# KiCad board OTTOdiy_SMD.kicad_pcb (continued)
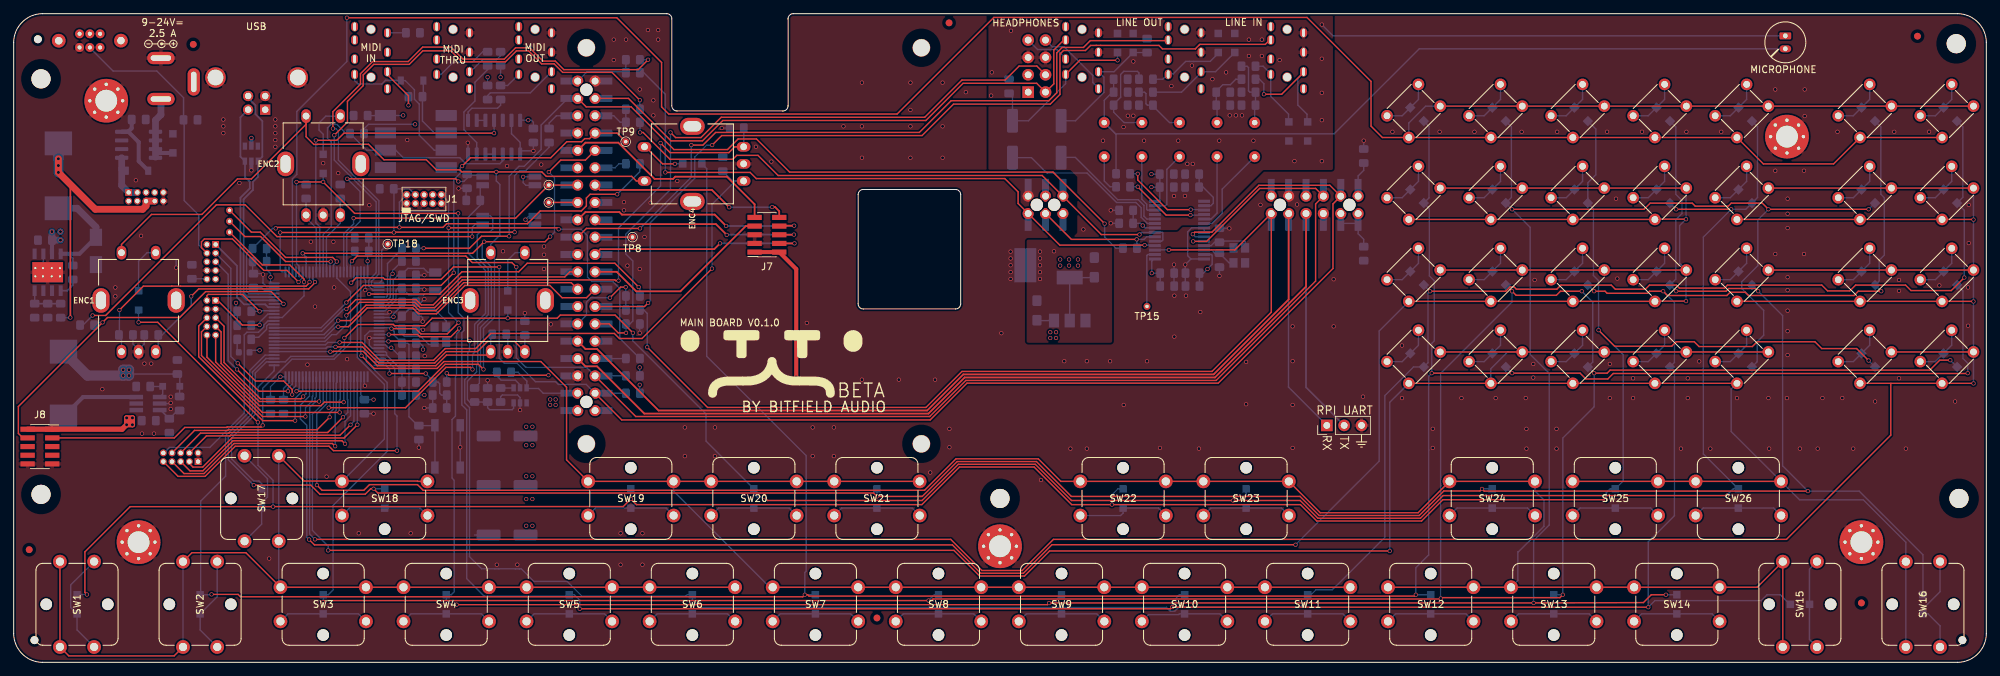
[diagram p0: board, top side]
## Routing (per net, layer and track width the routed paths; a pad name or vN(x,y) marks a point on that pad's centre or on a via; arc(x,y) is an arc through that point) (continued)
GNDA: length 70.9
  Bottom w0.203: v1(160.47,66.2) C250.1 ; v1(160.47,64.3) C73.2 ; MK201.1 192.99,91.75 v1(191.34,93.4)
  vias: v1(142.97,83) v1(143.07,86.4) v1(145.87,92.5) v1(150.12,60.15) v1(150.12,59.15) v1(150.12,58.15) v1(150.12,57.15) v1(150.12,56.15) v1(152.17,60.2) v1(156.47,63.4) v1(159.34,76.4) v1(162.34,78.4) v1(162.97,80.05) v1(163.77,88) v1(163.77,80.05) v1(165.34,76.4) v1(169.34,84.4) v1(169.72,68.3) v1(170.34,76.4) v1(171.32,68.3) v1(171.67,73) v1(172.34,87.4) v1(172.47,73) v1(175.34,85.4) v1(176.34,76.4) v1(177.34,86.4) v1(177.87,80.1) v1(178.77,80.1) v1(179.67,80.1) v1(180.67,91.2) v1(180.67,88.8) v1(181.34,76.4) v1(182.57,91.2) v1(182.57,88.8) v1(185.17,88.2) v1(187.34,73.4) v1(191.34,88.4) v1(191.34,83.4) v1(191.34,79.4) v1(191.34,73.4)
(F427)_SAI1_FS_A: length 85
  Top w0.203: v1(46.9,77.2) 48.82,79.12 48.82,82.15 51.13,84.46 51.13,86.04 52.67,87.58 57.87,87.58 59.84,89.55 63.95,89.55 65.55,87.95 71.93,87.95 73.54,89.55 75.32,89.55 77.22,87.65 79.05,87.65 80.3,86.4 87.52,86.4 v1(91.59,82.32)
  Bottom w0.203: v1(91.59,82.32) R236.2 ; v1(46.9,77.2) 46.9,73.56 50.37,70.09 50.37,70.09 53.02,67.44 53.02,57.05 51.94,55.97 51.94,55.1 52.54,54.5 U202.3
(F427)_SAI1_MCLK_A: length 6.3
  Bottom w0.203: TP18.1 53.82,60.35 53.82,55.88 U202.1
(F427)_SAI1_SCK_A: length 45.6
  Top w0.203: v1(91.42,54.96) 87.93,58.45 75.12,58.45 73.87,57.2 65.57,57.2 62.31,53.94 v1(51.97,53.94)
  Bottom w0.203: R235.2 91.59,54.79 v1(91.42,54.96) ; U202.4 52.03,54 v1(51.97,53.94)
(F427)_SAI1_SD_A: length 9.2
  Bottom w0.203: U202.5 54.52,53.5 54.67,53.65 54.67,56.99 54.68,57 54.68,58.41 56.79,60.52 R237.2
(F427)_SAI1_SD_B: length 85.5
  Top w0.203: v1(46.7,78.17) 46.7,80.64 50.73,84.67 50.73,86.21 52.5,87.98 57.7,87.98 59.82,90.1 63.97,90.1 65.72,88.35 71.76,88.35 73.42,90 75.47,90 77.42,88.05 79.22,88.05 80.47,86.8 91.34,86.8 v1(92.79,88.25)
  Bottom w0.203: U202.2 52.61,55 52.34,55.27 52.34,55.8 53.42,56.88 53.42,67.61 50.54,70.49 50.54,70.49 47.5,73.53 47.5,77.8 47.12,78.17 v1(46.7,78.17) ; v1(92.79,88.25) R238.2
/AUDIO/AMP_OUT_L: length 11.2
  Bottom w0.203: 158.67,84.1 157.84,84.93 157.84,85.95 153.64,90.15 151.91,90.15 J2.8
/AUDIO/AMP_OUT_R: length 6.6
  Bottom w0.203: 153.87,88.45 152.57,89.75 149.77,89.75 J2.7
/AUDIO/CODEC_CLKOUT: length 9.4
  Bottom w0.203: 167.67,59.72 165.89,59.72 165.77,59.6 165.77,59.57 165.74,59.54 165.74,52.15 TP15.1
/AUDIO/HP_OUT_L: length 26.3
  Top w0.203: v1(161.46,88.17) 155.94,88.17 TRS206.T
  Bottom w0.203: TRS206.T 153.87,84.75 148.43,79.31 C258.2 146.1,82.82 R228.2 ; v1(161.46,88.17) 161.46,89.31 ; 153.87,86.2 153.87,85.15
/AUDIO/HP_OUT_R: length 19.6
  Bottom w0.203: R230.2 165.77,89.31 163.75,89.31 160.94,86.5 TRS206.R1 159.47,85.7 159.47,83.47 155.31,79.31 C262.2
/AUDIO/I2S_BCLK*: length 141.3
  Top w0.203: v1(92.67,46.16) 101.5,37.33 133.44,37.33 138.71,42.6 175.27,42.6 183.95,51.28 J206.12 178.62,60.4 v1(168.97,60.4)
  Bottom w0.203: v1(168.97,60.4) 167.69,60.4 167.67,60.37 ; v1(92.67,46.16) 92.67,51.1 92.17,51.6 R231.2 ; J206.12 J206.12
/AUDIO/I2S_DIN*: length 21.2
  Top w0.203: v1(164.26,61.95) 154.71,61.95 J207.4
  Bottom w0.203: J207.4 J207.4 ; 167.67,62.32 165.72,62.32 165.34,61.95 v1(164.26,61.95) 164.29,61.91 R233.2
/AUDIO/I2S_DOUT*: length 95.7
  Top w0.203: v1(95.32,71.75) 107.72,71.75 108.62,70.85 144.97,70.85 146.92,68.9 146.92,67.2 J207.6 153.02,61.1 v1(165.42,61.1)
  Bottom w0.203: v1(95.32,71.75) 95.32,83.2 92.17,86.35 R234.2 ; J207.6 J207.6 ; v1(165.42,61.1) 167.59,61.1 167.67,61.02
/AUDIO/I2S_LRCLK*: length 88.5
  Top w0.203: v1(164.67,62.65) 159.09,62.65 J207.1 150.44,71.3 111.82,71.3 108.87,74.25 105.77,74.25 105.19,73.67 96,73.67 92.07,77.6 v1(91.62,77.6)
  Bottom w0.203: R232.2 91.62,79.07 v1(91.62,77.6) ; v1(164.67,62.65) 164.97,62.95 166.92,62.95 ; U207.5 167.91,61.67 168.1,61.86 168.1,62.88 168,62.97 U207.7 ; J207.1 J207.1
/AUDIO/LINE_IN_L: length 10.7
  Bottom w0.203: 186.47,79.28 186.47,80.28 183.87,82.88 183.87,86.2 182.77,87.3 R218.2
/AUDIO/LINE_IN_R: length 18.1
  Top w0.203: 188.67,86.35 188.62,86.35 185.47,83.2 v1(182.87,83.2)
  Bottom w0.203: 189.17,79.28 189.17,80.28 187.84,81.61 187.84,85.52 188.67,86.35 ; v1(182.87,83.2) 182.87,84.75 182.22,85.4 R222.2
/AUDIO/LINE_OUT_L: length 11.1
  Bottom w0.203: 176.19,89.18 175.01,88 172.63,88 172.63,88 172.05,88 172.05,88 171.42,88 169.62,86.2 168.87,86.2 168.07,85.4 R220.2
/AUDIO/LINE_OUT_R: length 14.3
  Bottom w0.203: 173.67,86.35 170.82,83.5 R223.2 ; 178.61,89.31 175.8,86.5 TRS205.R1
/AUDIO/MIC_IN: length 120.7
  Bottom w0.203: MK201.2 205.59,89.85 193.14,77.4 161.17,77.4 C257.2 ; C257.2 161.25,77.32 161.25,71.55 ; C257.2 159.52,82.3 160.72,83.5 C259.1 R229.2
/CE1_GPIO7_RASPI: length 5.7
  Top w0.203: TP2.1 J201.26
  Bottom w0.203: J201.26 J201.26
/GPIO1_RASPI: length 44.5
  Top w0.203: v1(49.72,65.05) 73.42,65.05 TP7.1 78.28,69.89 J201.28
  Bottom w0.203: J201.28 J201.28 ; v1(49.72,65.05) 49.72,64.21 48.27,62.76 48.27,57.35
/ICP_RST: length 101.4
  Top w0.203: v1(55.25,48.87) 58.79,48.87 59.57,48.1 63.42,48.1 v1(65.07,49.75) ; v1(79.72,63.43) 79.71,63.42 79.71,63.42 79.49,63.63 v1(63.62,63.63)
  Bottom w0.203: J1.10 63.62,67.42 v1(63.62,63.63) 63.62,51.2 v1(65.07,49.75) ; R4.2 57.62,46.75 57.82,46.55 57.82,35.97 59.12,34.67 C48.2 61.29,34.67 61.62,34.35 61.62,28.15 ; R4.2 55.67,47.88 55.67,48.46 v1(55.25,48.87) 55.13,49 U202.14 ; R4.2 56.79,46.89 ; 91.59,44.5 88.67,47.43 88.67,54.73 87.64,55.76 84.59,55.76 83.93,56.42 83.93,62.49 82.99,63.43 v1(79.72,63.43)
/ICP_SWCLK: length 66.1
  Top w0.203: v1(73.27,63) 55.67,63 v1(55.62,62.95) 55.62,62.95 v1(38.98,62.95)
  Bottom w0.203: v1(55.62,62.95) 55.62,68.95 56,69.33 57.9,69.33 J1.4 ; 78.32,76.12 78.32,75.44 74.88,72 74,72 73.27,71.27 v1(73.27,63) ; v1(38.98,62.95) 38.97,62.94 38.97,57.45 39.25,57.17 39.77,57.17
/ICP_SWDIO: length 79.2
  Top w0.203: v1(38.32,63.55) 38.47,63.7 v1(56.42,63.7) 62.79,63.7 63.33,64.24 75.15,64.24 77.01,66.1 83.02,66.1 83.77,66.85 83.77,68 84.32,68.55 v1(88.28,68.55)
  Bottom w0.203: v1(88.28,68.55) 91.59,71.87 R1.2 ; v1(38.32,63.55) 37.87,63.55 34.95,60.62 34.82,60.62 34.07,59.87 34.07,54.32 34.39,54 35.75,54 35.75,54 38.09,54 ; v1(56.42,63.7) 56.42,67.41 57.49,68.47 J1.2
/MCU/BARREL_IN: length 7.5
  Bottom w0.6: D49.1 16.05,72 15.8,72.25
  Bottom w1: 15.8,73.89 15.8,69.84 J3.1 J3.3
/MCU/BOOT0: length 36.1
  Top w0.203: v1(48.79,70.82) 64.65,70.82 v1(65.04,70.43)
  Bottom w0.203: v1(48.79,70.82) 50.67,68.93 50.67,64.59 48.72,62.64 48.72,58.06 48.77,58.01 48.77,57.17 ; v1(65.04,70.43) 65.85,70.43 66.32,70.9 R203.2 66.44,71.35 68.38,71.35 SW202.4
/MCU/BOOT1: length 57.9
  Top w0.203: v1(46.08,37.29) 57.31,37.29 63.22,43.2 66.81,43.2 v1(67.11,42.9)
  Bottom w0.203: v1(67.11,42.9) 67.11,45.09 67.42,45.4 67.42,49.5 69.02,51.1 69.02,57.4 66.47,59.95 66.47,65.17 68.25,66.95 R204.2 68.25,69.51 SW202.3 ; v1(46.08,37.29) 46.27,37.49 U202.37
/MCU/BUCK_IN: length 21.9
  In1.Cu w1: v1(6.85,63.08) 11.32,67.55 J3.2 J3.4 ; v1(6.85,63.08) v1(6.85,61.83) v1(5.6,63.08) v1(6.85,63.08)
  Bottom w0.6: C1.2 5.6,59.84 U1.7
  Bottom w1: C1.2 5.6,61.83 ; C1.2 v1(6.85,61.83) ; C1.2 v1(5.6,63.08)
/MCU/BUCK_OUT: length 49.2
  Top w0.254: v1(6.54,71.75) 8.29,70 v1(8.29,50.5)
  Top w1: J3.8 J3.6 19.36,66.84 18.87,66.35 11.94,66.35 v1(6.54,71.75) v1(6.54,73.75)
  Bottom w0.254: v1(8.29,50.5) 8.27,50.48 R14.1
  Bottom w1: R14.1 6.9,50.51
  Bottom w1.5: v1(6.54,73.75) L1.2 v1(6.54,71.75)
  vias: v1(6.54,72.75)
/MCU/COL_1: length 205
  Top w0.203: SW18.2 59.11,26.5 59.05,26.55 42.47,26.55 SW17.2 ; SW2.2 26.08,16.06 33.96,16.06 SW3.2 SW6.2 SW6.2 ; 6.77,2.25 6.77,14.75 ; SW1.2 8.07,0.95 23.47,0.95 SW2.2
  Bottom w0.203: SW18.2 54.22,32.7 54.22,40.71 50.27,44.66 50.27,57.17 ; SW2.2 SW2.2 ; SW3.2 38.77,11.25 SW17.2 SW17.2
/MCU/COL_2: length 215.7
  Top w0.203: v1(50.88,44.9) 52.74,43.04 61.92,43.04 62.93,44.05 77.11,44.05 80.87,40.29 80.87,29.65 SW19.2 SW21.2 ; SW11.2 SW7.2
  Bottom w0.203: v1(50.88,44.9) 50.77,45.01 50.77,57.97 ; SW19.2 96.52,25.09 110.61,11 SW7.2
/MCU/COL_3: length 293.4
  Top w0.203: v1(44.35,25.95) 45.11,25.2 51.22,25.2 52.05,26.03 59.07,26.03 59.9,25.2 133.23,25.2 137.84,29.81 149.86,29.81 153.17,26.5 SW22.2 ; SW22.2 SW23.2 191.11,21.91 205.43,21.91 SW24.2 SW24.2 ; SW22.2 155.51,25.99 ; SW15.2 SW15.2 255.02,11 SW12.2
  Bottom w0.203: SW13.2 220.02,12 220.02,16.21 ; U202.38 45.77,37.84 44.35,36.42 v1(44.35,25.95) ; SW24.2 222.52,25.09 223.83,23.77 223.83,19.91 220.02,16.1
/MCU/COL_4: length 400.4
  Top w0.203: SW27.2 SW28.2 SW29.2 SW30.2 SW31.2 ; SW27.2 SW28.2 SW29.2 SW30.2 SW31.2 ; v1(46.01,16.4) 137.53,16.4 141.29,12.64 147.85,12.64 151.52,16.31 v1(201.28,16.31) ; SW26.2 SW25.2
  Bottom w0.203: SW28.2 218.53,45.46 216.06,42.99 SW28.2 ; SW31.2 251.21,40.01 251.21,33.81 SW26.2 261.22,23.8 270.55,23.8 276.77,17.58 SW16.2 ; v1(46.01,16.4) 46.01,17.01 43.7,19.32 43.7,36.34 45.27,37.91 45.27,41.82 U202.39 ; 276.77,14.71 276.77,2.21 ; v1(201.28,16.31) 201.28,38.08 SW27.2
/MCU/COL_5: length 459.2
  Top w0.203: v1(286.66,64.84) 286.64,64.86 SW47.2 SW46.2 SW45.2 ; v1(286.67,40.85) 286.66,40.86 SW33.2 SW32.2 ; v1(286.66,52.85) 286.65,52.86 SW40.2 SW39.2 SW38.2 ; SW33.2 SW32.2 ; SW40.2 SW39.2 SW38.2 ; SW47.2 SW46.2 SW45.2 ; 274.56,40.86 274.56,33.27 259.31,18.01 152.08,18.01 147.52,13.45 141.62,13.45 137.06,18.01 v1(44.07,18.01)
  Bottom w0.203: v1(286.67,40.85) 286.66,40.86 SW33.2 v1(286.66,52.85) SW40.2 v1(286.66,64.84) SW47.2 ; v1(44.07,18.01) 43.29,18.79 43.29,37.34 44.07,38.12 44.07,38.72 44.27,38.92 U202.41
/MCU/COL_6: length 386
  Top w0.203: v1(244.62,52.9) 240.1,52.9 SW37.2 SW36.2 SW35.2 SW34.2 ; v1(244.62,64.9) 240.1,64.9 SW44.2 SW43.2 SW42.2 SW41.2 ; SW37.2 SW36.2 SW35.2 SW34.2 ; SW44.2 SW43.2 SW42.2 SW41.2 ; v1(187.5,17.22) 151.87,17.22 147.69,13.05 141.45,13.05 137.3,17.2 44,17.2 v1(43.21,17.98)
  Bottom w0.203: v1(244.62,52.9) 244.62,57.42 SW37.2 243.67,58.45 243.67,63.95 v1(244.62,64.9) 244.62,69.42 SW44.2 ; v1(187.5,17.22) 199.73,29.46 199.73,48.53 SW34.2 ; U202.43 43.27,39 41.94,37.67 41.94,35.64 41.94,35.64 42.89,34.69 42.89,18.31 v1(43.21,17.98)
/MCU/COL_7: length 154.1
  Top w0.203: v1(41.37,39.7) 59.15,39.7 63.1,43.65 67.97,43.65 v1(68.72,42.9) ; ENC1.S1 15.77,61.2 20.17,65.6 27.53,65.6 32.73,70.8 34.77,70.8 42.77,78.8 ENC2.S1 42.77,76.98 43.91,75.85 44.48,75.85 44.5,75.87 51.9,75.87 54.17,73.6 60.36,73.6 61.84,72.12 65.25,72.12 65.55,71.82 v1(70.59,71.82) 77.25,71.82 77.9,71.17 90.39,71.17 91.07,70.5 ENC4.S1
  Bottom w0.203: v1(41.37,39.7) 41.77,40.1 U202.46 ; v1(70.59,71.82) 70.59,70.5 71.12,69.97 71.12,62.55 69.77,61.2 ENC3.S1 70.32,59.45 70.32,50.5 68.72,48.9 v1(68.72,42.9)
/MCU/COL_8: length 389.4
  Top w0.203: SW56.2 SW55.2 266.2,73 255.92,73 SW54.2 SW53.2 SW52.2 SW51.2 SW50.2 200.21,76.86 198.54,78.53 198.54,85.08 189.17,94.45 143.37,94.45 129.22,80.3 95.82,80.3 94.77,81.35 94.77,87.85 88.22,94.4 v1(48.74,94.4) ; SW56.2 SW55.2 SW54.2 SW53.2 SW52.2 SW51.2 SW50.2
  Bottom w0.203: SW50.2 206.53,81.46 204.06,78.99 SW50.2 ; 40.77,57.17 40.77,70.8 41.42,71.45 41.42,80.68 48.74,88 v1(48.74,94.4)
/MCU/CV_ADC_1: length 36.8
  Top w0.203: v1(48.47,32) 48.02,32.45 32.07,32.45 27.67,28.05 25.78,28.05 J6.5
  Bottom w0.203: v1(48.47,32) 48.47,35.31 49.27,36.11 49.27,41.82 U202.31
/MCU/CV_ADC_2: length 32.2
  Top w0.203: v1(48.17,35.9) 45.93,33.66 31.57,33.66 31.47,33.56 27.32,33.56 J6.6
  Bottom w0.203: U202.32 48.77,38.59 48.87,38.49 48.87,36.6 v1(48.17,35.9)
/MCU/CV_DAC_1: length 34.7
  Top w0.203: J6.3 25.7,29.13 26.23,28.6 27.65,28.6 31.91,32.86 48.33,32.86 v1(50.27,34.8)
  Bottom w0.203: U202.29 v1(50.27,34.8)
/MCU/CV_DAC_2: length 32.5
  Top w0.203: v1(49.27,34.8) 47.73,33.26 31.74,33.26 31.64,33.16 28.19,33.16 J6.4
  Bottom w0.203: v1(49.27,34.8) 49.77,35.3 U202.30
/MCU/ENC_A_1: length 37.3
  Top w0.203: v1(43.27,55.7) 43.27,55.6 42.76,55.09 24.42,55.09 24.41,55.1 23.13,55.1 23.12,55.09 18.96,55.09 v1(15.47,51.6)
  Bottom w0.203: v1(15.47,51.6) 15.47,48.02 C60.1 15.77,47.57 ENC1.A ; 43.27,57.17 43.27,55.7 v1(43.27,55.7)
/MCU/ENC_A_2: length 11.4
  Bottom w0.203: 44.27,57.17 44.27,62.01 44.27,62.01 44.27,62.59 44.27,62.59 44.27,63.6 42.77,65.1 ENC2.A C62.1
/MCU/ENC_A_3: length 36.1
  Top w0.203: ENC3.A 69.27,45 63.31,45 61.75,43.44 53.22,43.44 51.11,45.55 46.8,45.55 46.74,45.5 v1(46.32,45.5)
  Bottom w0.203: 38.09,45.5 v1(46.32,45.5) ; C64.1 69.77,47.82 ENC3.A
/MCU/ENC_A_4: length 90.6
  Top w0.203: v1(47.67,46.85) 50.95,46.85 53.55,44.25 61.42,44.25 63.12,45.95 67.57,45.95 69.79,48.17 87.86,48.17 88.61,47.43 91.91,47.43 v1(102.14,57.66)
  Bottom w0.203: v1(102.14,57.66) 102.14,67.08 105.57,70.5 ENC4.A ; ENC4.A 105.15,70.5 C66.1 ; ENC4.A 106.79,70.47 ; v1(47.67,46.85) 45.96,46.85 45.61,46.5 38.09,46.5
  Bottom w0.254: 106.75,70.48 ENC4.A
/MCU/ENC_B_1: length 31.2
  Top w0.203: v1(44.07,55.7) 44.07,55.6 43.16,54.69 27.06,54.69 v1(25.97,53.6)
  Bottom w0.203: v1(44.07,55.7) 44.07,55.79 43.77,56.09 43.77,57.17 ; ENC1.B 21.15,45.87 21.15,47.95 21.72,47.95 25.97,52.2 v1(25.97,53.6)
/MCU/ENC_B_2: length 11.6
  Bottom w0.203: 45.77,57.17 45.74,57.2 45.74,62.27 47.77,64.3 ENC2.B C63.2
/MCU/ENC_B_3: length 42.1
  Top w0.203: v1(47.07,46.2) 51.03,46.2 53.39,43.85 61.59,43.85 63.24,45.5 67.82,45.5 69.32,47 73.27,47 ENC3.B
  Bottom w0.203: C65.2 ENC3.B ; v1(47.07,46.2) 45.88,46.2 45.68,46 38.09,46
/MCU/ENC_B_4: length 94.1
  Top w0.203: v1(94.62,76.05) 96.02,74.65 104.61,74.65 105.46,75.5 ENC4.B ; v1(88.47,55.9) 88.05,55.9 87.94,56.01 65.63,56.01 61.57,51.95 59.46,51.95 58.69,52.72 50.59,52.72 v1(48.67,50.8)
  Bottom w0.203: 38.09,47 45.54,47 46.54,48 47.2,48 48.67,49.47 v1(48.67,50.8) ; 106.79,78.25 106.79,75.52 ENC4.B ; v1(88.47,55.9) 88.47,63.62 94.62,69.77 v1(94.62,76.05)
/MCU/EXP_GPIO_1_ADC: length 29.2
  Top w0.203: J5.9 29.54,44 35.94,37.6 44.96,37.6 45.46,38.1 v1(48.27,38.1)
  Bottom w0.203: U202.33 48.27,38.1 v1(48.27,38.1)
/MCU/EXP_GPIO_2_ADC: length 31.7
  Top w0.203: v1(47.68,36.6) 36.37,36.6 28.27,44.7 J5.10
  Bottom w0.203: v1(47.68,36.6) 47.62,36.66 47.62,38.34 47.77,38.49 U202.34 47.77,41.4
/MCU/EXP_GPIO_3_PWM: length 26.1
  Top w0.203: v1(44.67,38.2) 35.91,38.2 30.34,43.77 30.34,48.39 J5.7
  Bottom w0.203: v1(44.67,38.2) 44.77,38.3 U202.40
/MCU/EXP_GPIO_4_PWM: length 29.8
  Top w0.203: v1(42.67,36) 36.4,36 27.47,44.93 27.47,48.39 J5.8
  Bottom w0.203: U202.42 43.77,38.99 43.67,38.88 43.67,38.28 42.67,37.29 v1(42.67,36)
/MCU/EXP_GPIO_5_PWM: length 24
  Top w0.203: v1(42.34,38.93) 42.02,38.6 36.08,38.6 30.77,43.91 30.77,49.23 J5.5
  Bottom w0.203: U202.44 42.77,39.35 v1(42.34,38.93)
/MCU/EXP_GPIO_6_PWM: length 31.1
  Top w0.203: v1(41.17,35.4) 36.43,35.4 27.07,44.76 27.07,49.26 J5.6
  Bottom w0.203: v1(41.17,35.4) 41.17,38.64 42.27,39.74 U202.45
/MCU/GATE_IO_1: length 36.9
  Top w0.203: v1(47.02,31.65) 46.62,32.05 32.24,32.05 27.83,27.64 24.92,27.64 J6.7
  Bottom w0.203: U202.35 47.27,40.99 47.17,40.9 47.17,36.93 47.02,36.78 v1(47.02,31.65)
/MCU/GATE_IO_2: length 31.4
  Top w0.203: J6.8 26.46,33.97 31.31,33.97 31.41,34.07 44.39,34.07 v1(46.22,35.9)
  Bottom w0.203: v1(46.22,35.9) 46.22,36.55 46.77,37.1 U202.36
/MCU/I2C2_SCL: length 12.9
  Top w0.203: v1(35.97,51.4) 33.49,53.88 28.45,53.88 28.27,53.71 J5.2
  Bottom w0.203: 38.09,51.5 36.07,51.5 v1(35.97,51.4) R206.1
/MCU/I2C2_SDA: length 12.2
  Top w0.203: J5.1 29.84,53 33.44,49.4 v1(35.97,49.4)
  Bottom w0.203: 38.09,51 37.17,51 35.97,49.8 v1(35.97,49.4) 34.8,49.4 R207.2
/MCU/LED_PWR_EN: length 54.8
  Top w0.203: J8.4 1.34,32.87 0.69,33.52 0.69,37.47 v1(13,49.78) 13.72,50.5 24.28,50.5 28.07,54.29 37.68,54.29 v1(39.47,52.5)
  Bottom w0.203: v1(13,49.78) 12.15,49.78 R32.2 ; 38.09,52.5 v1(39.47,52.5)
/MCU/MCU_PA0: length 52.2
  Top w0.203: v1(56.07,31) 46.78,31 46.13,31.65 32.41,31.65 28,27.24 24.05,27.24 J6.9
  Bottom w0.203: v1(56.07,31) 56.07,36.08 55.74,36.41 55.74,43.04 54.28,44.5 U202.23
/MCU/MCU_PC7: length 31.2
  Bottom w0.203: 38.09,50 37.19,50 36.59,49.4 36.59,49.13 35.81,48.35 34.12,48.35 33.72,47.95 33.72,36.5 28.69,31.47 22.78,31.47 22.36,31.05 22.36,30.79 22.24,30.67 J6.10
/MCU/MCU_PC8: length 21.9
  Top w0.203: TP1.1 36.37,58.2 40.39,58.2 42.47,56.12 v1(42.47,55.7)
  Bottom w0.203: v1(42.47,55.7) 42.47,53.68 39.29,50.5 38.09,50.5
/MCU/OSC32_IN: length 12.5
  Bottom w0.203: Y202.2 60.57,57.1 59.97,57.7 57.67,57.7 56.79,56.82 C96.1 56.22,56.7 55.52,56 55.52,53.24 54.28,52 U202.8
/MCU/OSC32_OUT: length 11.1
  Bottom w0.203: U202.9 54.35,51.5 55.92,53.07 55.92,54.5 56.22,54.8 C97.1 57.8,53.8 59.97,53.8 60.16,54 61.27,54 Y202.1
/MCU/OSC_IN: length 12.2
  Bottom w0.203: U202.12 56.12,50 56.79,50.67 C204.1 57.8,51.7 61.57,51.7 63.27,50 Y201.3
/MCU/OSC_OUT: length 9.4
  Bottom w0.203: 61.22,46.55 60.72,46.55 59.52,47.75 57.14,47.75 56.79,48.1 C205.1 56.22,48.8 55.52,49.5 54.25,49.5 54.24,49.5 U202.13
/MCU/PERIPHERALS/BARL: length 11.6
  Bottom w0.6: D48.1 21.31,74.6 Q1.7
  Bottom w1: 20.74,74 Q1.7 20.74,79.4 21.54,80.19 DC201.1
/MCU/PERIPHERALS/LED_PWR_EN_OVERRIDE: length 69.6
  Top w0.203: v1(67.07,62.35) 67.07,62.35 38.52,62.35 33.87,67 29.65,67 13.45,50.8 v1(11.54,50.8)
  Bottom w0.203: v1(11.54,50.8) 10.14,49.4 9.71,49.4 ; v1(67.07,62.35) 67.07,63.72 67.47,64.11 SW48.3
/MCU/PERIPHERALS/PI_PWR_EN_OVERRIDE: length 40.6
  Bottom w0.203: U5.3 73.12,37.22 72.9,37 69.62,37 69.32,37.3 R16.1 R31.1 66.72,38.12 66.37,38.47 66.37,41.18 67.72,42.52 67.72,43.51 67.87,43.66 67.87,49.38 69.42,50.93 69.42,57.64 67.82,59.24 67.82,62.64 68.18,63 69.62,63 70.07,63.45 70.07,65.04 69.72,65.38 SW48.4
/MCU/PROG_UART_RX: length 28.2
  Top w0.203: v1(40.11,39.7) 35.87,39.7 v1(32.67,42.9)
  Bottom w0.203: J4.5 31.37,56.83 31.37,44.2 v1(32.67,42.9) ; v1(40.11,39.7) 40.11,40.13 40.77,40.79 U202.48
/MCU/PROG_UART_TX: length 30.6
  Top w0.203: v1(32.77,43.8) 35.37,41.2 39.49,41.2 40.74,39.95 v1(40.74,39.21)
  Bottom w0.203: v1(32.77,43.8) 31.77,44.8 31.77,57.7 J4.3 ; U202.47 41.27,40.49 40.74,39.96 v1(40.74,39.21)
/MCU/ROW_1: length 397.4
  Top w0.203: v1(271.32,44.2) 269.57,45.95 264.47,45.95 263.47,46.95 255.02,46.95 254.32,46.25 246.52,46.25 245.82,46.95 243.17,46.95 242.52,46.3 234.17,46.3 v1(231.82,48.65) ; v1(232.92,23.82) 209.05,23.82 205.93,20.7 190.61,20.7 188.21,23.1 v1(160.64,23.1) 154.76,23.1 149.26,28.6 138.34,28.6 132.84,23.1 91.1,23.1 v1(90.27,23.92) 89.15,22.81 37.95,22.81 v1(37.94,22.8) 17.04,22.8 10.41,16.17 10.41,10.23 v1(10.71,9.93) ; v1(18.27,49.8) 21.07,49.8 v1(35.72,35.15)
  Bottom w0.203: D32.1 v1(271.32,44.2) ; D60.1 231.42,78.1 231.42,71.4 230.26,70.24 D43.1 231.07,66.45 231.07,56.65 231.82,55.9 v1(231.82,48.65) 235.42,45.05 235.42,26.55 D25.1 233.52,25.4 232.92,24.8 v1(232.92,23.82) ; v1(160.64,23.1) 160.64,24.53 161.52,25.4 D22.1 ; v1(37.94,22.8) 37.94,26.65 35.74,28.85 35.74,35.23 ; D19.1 v1(90.27,23.92) ; 38.09,43.5 38.09,42.7 35.74,40.34 35.74,35.23 ; v1(35.72,35.15) 35.74,35.17 35.74,35.23 ; v1(10.71,9.93) 9.3,9.93 D1.1 ; D202.1 v1(18.27,49.8)
/MCU/ROW_2: length 338.3
  Top w0.203: v1(243.17,66.35) v1(251.22,66.35) ; v1(48.37,47.51) 50.33,49.47 55.54,49.47 55.72,49.3 60.11,49.3 61.21,50.4 v1(72.27,50.4) 79.5,50.4 79.95,50.85 87.98,50.85 v1(90.57,48.26) ; v1(250.64,24.42) 209.09,24.42 205.76,21.1 190.78,21.1 188.18,23.7 v1(178.37,23.7) 154.73,23.7 149.43,29 138.17,29 132.87,23.7 110.26,23.7 v1(109.77,24.19)
  Bottom w0.203: D44.1 v1(243.17,66.35) ; D62.1 255.07,78.45 255.07,68.07 D45.1 253.35,66.35 v1(251.22,66.35) 247.15,62.28 247.15,30.52 D26.1 251.52,25.4 250.64,24.53 v1(250.64,24.42) ; v1(48.37,47.51) 48.37,46.48 46.7,44.8 40.54,44.8 39.73,44 36.97,44 35.34,42.37 35.34,36.32 31.87,32.85 31.87,29.8 35.12,26.55 35.87,26.55 36.27,26.15 D17.1 ; v1(109.77,24.19) 108.72,24.19 108.27,24.65 D20.1 101.27,32.4 101.27,36.38 90.57,47.08 v1(90.57,48.26) ; D23.1 180.27,24.65 179.32,23.7 v1(178.37,23.7) ; D203.1 v1(72.27,50.4)
/MCU/ROW_3: length 363.3
  Top w0.203: v1(243.17,54.35) 250.47,54.35 250.87,54.75 254.77,54.75 v1(255.17,54.35) ; v1(262.45,25.07) 215.09,25.07 v1(214.77,25.4) 214.47,25.1 209.19,25.1 205.6,21.51 190.94,21.51 188.15,24.3 154.7,24.3 149.59,29.41 138.01,29.41 132.9,24.3 132.57,24.3 ; 132.57,24.3 v1(126.27,24.3) 125.78,24.8 53.27,24.8 v1(52.65,25.42) 52.22,25.42 51.42,24.62 44.79,24.62 43.46,25.95 v1(35.12,25.95) ; 132.57,24.3 132.78,24.3
  Bottom w0.203: 254.23,55.26 D38.1 v1(255.17,54.35) 258.74,50.78 258.74,28.78 v1(262.45,25.07) 269.95,25.07 279.27,15.75 279.27,9.9 ; v1(243.17,54.35) D37.1 243.12,56.12 243.12,64.82 244.02,65.72 244.02,67.65 243.12,68.55 243.12,78.4 D61.1 242.26,78.95 ; v1(214.77,25.4) D24.1 ; v1(35.12,25.95) 31.4,29.68 31.4,32.95 34.93,36.49 34.93,42.53 36.9,44.5 38.09,44.5 ; D21.1 v1(126.27,24.3) ; v1(52.65,25.42) 52.67,25.4 D18.1
/MCU/ROW_4: length 457.5
  Top w0.203: v1(285.82,42.35) 285.77,42.3 233.97,42.3 233.17,41.5 229.97,41.5 229.12,42.35 v1(219.17,42.35) v1(207.42,42.35) ; v1(205.09,9.9) 204.89,9.7 116.35,9.7 116.14,9.9 v1(115.72,9.9) 115.42,9.6 33.18,9.6 32.83,9.95 v1(28.95,9.95)
  Bottom w0.203: v1(219.17,42.35) D28.1 218.23,43.26 ; v1(285.82,42.35) 285.82,43.8 285.12,44.5 285.12,54.4 D40.1 ; D58.1 207.02,78.5 207.02,68.02 D41.1 207.07,66.45 207.07,56.6 207.8,55.87 207.8,47.08 207.42,46.71 v1(207.42,42.35) 206.97,41.9 206.97,31.11 206.97,31.11 206.97,15.73 205.09,13.85 v1(205.09,9.9) D12.1 ; D7.1 v1(115.72,9.9) 115.72,13.15 115.91,13.35 115.91,30.28 101.37,44.82 101.37,72.3 D205.1 ; v1(28.95,9.95) 28.9,9.9 D2.1 ; 38.09,45 36.77,45 34.53,42.76 34.53,36.74 30.99,33.2 30.99,27.25 27.35,23.61 27.35,9.93
/MCU/ROW_5: length 395.3
  Top w0.203: v1(229.37,54.35) 226.25,54.35 225.64,53.75 219.77,53.75 v1(219.17,54.35) ; v1(231.17,42.35) 233.07,42.35 233.52,42.8 280.27,42.8 281.72,44.25 v1(283.27,44.25) ; v1(208.75,9.35) 208.72,9.33 208.72,9.28 ; 208.72,9.28 134.47,9.28 134.24,9.05 v1(133.82,9.05) 45.45,9.05 v1(45.24,8.84) ; 208.72,9.28 208.92,9.47 226.17,9.47 v1(226.59,9.9)
  Bottom w0.203: v1(229.37,54.35) 230.97,52.75 230.97,43.97 D29.1 v1(231.17,42.35) 231.17,37.43 226.59,32.85 v1(226.59,9.9) D13.1 ; v1(283.27,44.25) D33.1 ; D35.1 v1(219.17,54.35) 219.17,52.77 208.72,42.32 208.72,27.13 208.72,27.12 208.72,25.88 208.72,25.87 208.72,22.13 208.72,22.12 208.72,20.88 208.72,20.87 208.72,9.38 v1(208.75,9.35) 208.72,9.38 ; U202.15 52.07,48.5 51.37,47.8 51.37,45.44 51.57,45.24 51.57,44.04 54.62,40.99 54.62,30.88 46.72,22.98 46.72,10.6 46.02,9.9 D3.1 45.27,8.87 v1(45.24,8.84) ; D8.1 134.67,9.9 v1(133.82,9.05)
/MCU/ROW_6: length 393.3
  Top w0.203: v1(271.32,66.35) v1(256.67,66.35) 255.77,67.25 251.23,67.25 250.78,66.8 245.97,66.8 245.52,67.25 239.37,67.25 238.47,66.35 v1(219.17,66.35) ; v1(151.44,8.67) 151.22,8.45 v1(64.79,8.45) ; v1(151.44,8.67) 151.47,8.7 v1(222.32,8.7) 238.38,8.75 239.53,9.9 v1(241.67,9.9) ; v1(151.44,8.67) 151.87,8.67 ; v1(54.87,48) 59.09,48 59.4,47.69 63.96,47.69 v1(65.17,48.9)
  Bottom w0.203: v1(256.67,66.35) 255.12,64.8 255.12,58.1 252.77,55.75 252.77,54.75 255.97,51.55 255.97,47.9 255.02,46.95 255.02,44.02 D31.1 ; D46.1 272.23,67.26 v1(271.32,66.35) ; D59.1 219.07,78.45 219.07,68.07 D42.1 v1(219.17,66.35) 221.82,63.7 221.82,45.1 224.61,42.31 224.61,20.12 222.32,17.83 v1(222.32,8.7) ; v1(241.67,9.9) D14.1 ; v1(151.44,8.67) 152.04,8.67 D9.1 ; v1(65.17,48.9) 65.17,48.48 64.77,48.08 64.77,42.02 64.62,41.87 64.62,36.05 64.12,35.55 64.12,27 64.37,26.7 64.42,26.65 64.42,10.31 ; U202.16 v1(54.87,48) ; 64.42,10.3 64.02,9.9 D4.1 63.27,9.15 63.97,8.45 v1(64.79,8.45)
/MCU/ROW_7: length 415.2
  Top w0.203: v1(273.17,54.35) 269.81,54.35 269.18,53.72 253.75,53.72 253.27,54.2 251.07,54.2 250.59,53.72 241.9,53.72 v1(241.27,54.35) 239.27,54.35 238.97,54.05 233.07,54.05 232.77,54.35 v1(231.17,54.35) ; v1(41.37,70.35) v1(45.27,70.35) 49.87,65.75 v1(65.02,65.75) ; v1(82.79,7.85) 169.22,7.85 v1(169.47,8.1) 169.49,8.07 v1(239.09,8.07)